# Allegro board 1140022-KU060_PCIE_FIBER_BOARD_V001_pcb166_20240120_1835_pcb.brd (continued)
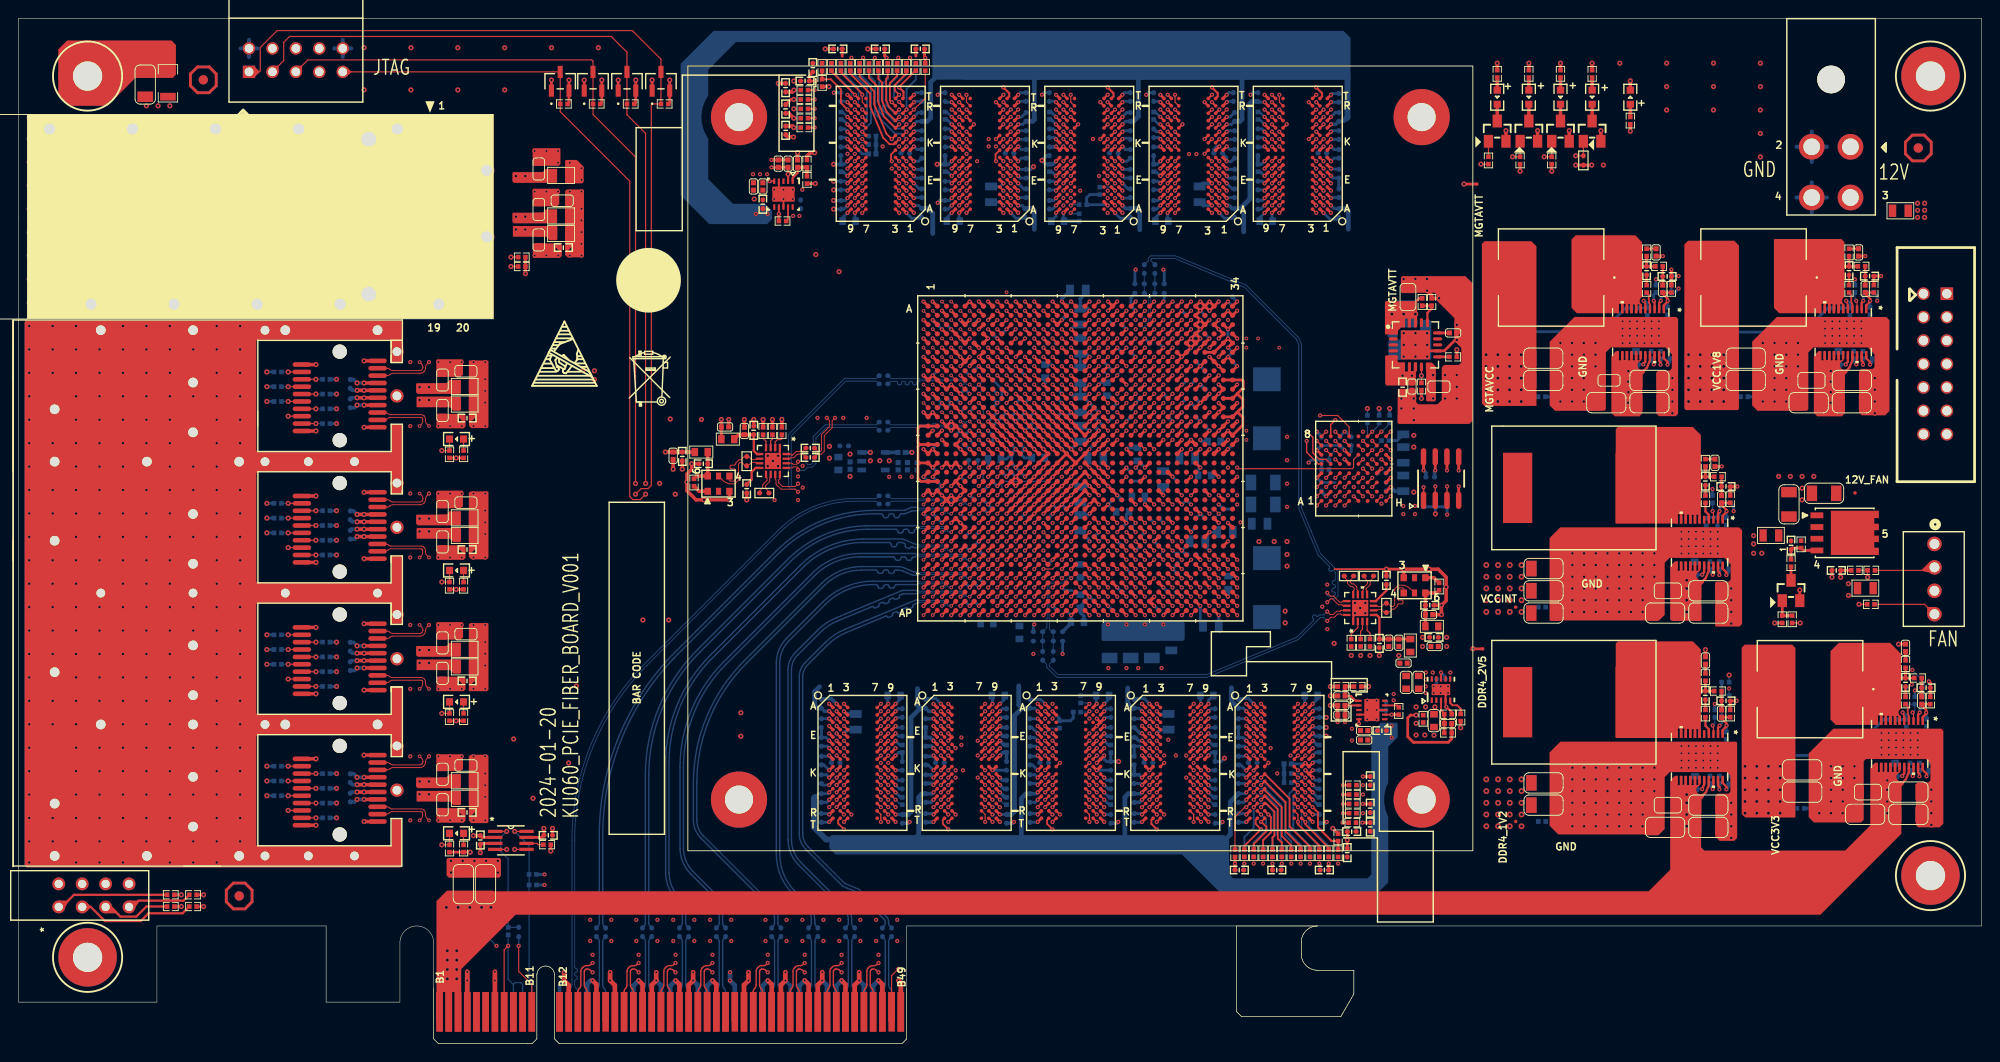
[diagram p0: board, top side]
## Routing (per net, layer and track width the routed paths; a pad name or vN(x,y) marks a point on that pad's centre or on a via; arc(x,y) is an arc through that point) (continued)
VCC1V8: length 115.3
  TOP w0.305: v1(201.9,83.21) C1531.2 R918.2 ; U1.Y29 v1(127.11,61.45) ; U1.AD7 v1(104.11,56.45) ; v3(168.81,95.25) R12.1 v3(170.54,95.25) ; v3(50.07,20.7) C1492.1 50.17,21.7 U154.3 ; U1.R24 v1(122.11,66.45) ; v3(63.23,104.47) D2.2 63.23,102.03 R21.2 ; U1.AB23 v1(121.11,58.45) ; v3(59.68,104.47) D1.2 59.68,102.03 R22.2 ; U1.Y9 v1(106.11,60.45) ; U1.M23 v1(121.11,69.45) ; U1.AA26 v1(124.11,59.45) ; U1.W22 v1(120.11,62.45) ; R611.1 v3(152.08,69.94) ; U1.T21 v1(119.11,65.45) ; U1.U28 v1(126.11,64.45) ; U1.AC20 v1(118.11,58.45) ; U1.L26 v1(124.11,70.45) ; R19.2 70.6,102.03 D4.2 v3(70.6,104.47) ; U1.W32 v1(130.11,61.45) ; U1.P27 v1(125.11,67.45) ; U1.AF31 v1(129.11,55.45) ; U1.V25 v1(122.11,62.45) ; R20.2 66.92,102.03 D3.2 v3(66.92,104.47) ; U150.8 v1(152.31,62.14) ; U1.N20 v1(118.11,67.45) ; U1.AB33 v1(130.11,59.45) ; R845.1 v3(57.7,20.87) ; U1.AB9 v1(106.11,58.45) ; U1.AC30 v1(128.11,57.45) ; U1.H25 v1(123.11,73.45) ; U1.J22 v1(120.11,71.45) ; U1.AD27 v1(125.11,56.45) ; U1.AE34 v1(131.11,56.45)
  ART05 w0.61: J1.4 27.53,108.83 ; J1.4 26.61,107.9 ; J1.4 27.53,106.97 ; J1.4 28.46,107.9
  ART10 w0.381: v4(184.85,69.61) 187.65,68.45 196.57,68.45 202.62,74.5 202.62,81.49 v1(201.9,83.21)
  BOTTOM w0.254: R4.1 105.61,65.06 105.61,65.96 R775.1 105.55,66.01 v1(105.11,66.45) ; R17.1 106.6,70.98 106.6,69.95 v1(106.11,69.45)
  BOTTOM w0.305: v1(120.11,62.45) 120.11,62.42 C2.1 ; C1487.1 149.44,65.38 R28.1 ; R13.1 105.64,68.99 v1(106.11,69.45) 105.61,69.95 R15.1 ; C30.1 124.6,56.96 v1(125.11,56.45) ; R27.1 v3(147.5,68.86) ; v1(122.11,62.45) 121.38,63.18 C29.1 ; C5.1 118.9,57.66 v1(118.11,58.45) C1495.1 ; R30.1 v3(148.64,68.86) ; R767.2 U1.AC30 v1(128.11,57.45) ; v1(130.11,61.45) 129.96,61.59 C24.1 ; v1(124.11,59.45) 124.08,59.48 C4.1 ; C15.1 v1(118.11,67.45) ; C14.1 U1.M23 v1(121.11,69.45) 121.6,69.94 C26.1 ; R830.1 v3(153.6,57.43) ; R830.1 R829.1 v1(154.87,57.36) ; R830.1 R831.1 ; v1(139.85,62.99) 140.12,63.26 R29.1 R26.1 ; R1250.2 196.15,79.76 193.52,77.14 186.05,77.14 ; C12.1 129.11,55.46 v1(129.11,55.45) ; v1(124.11,70.45) C7.1 ; C27.1 v1(128.11,57.45) ; v1(128.11,57.45) 128.59,56.97 R768.2 ; C28.1 125.86,64.2 v1(126.11,64.45) ; v1(121.11,58.45) 120.7,58.86 C13.1 ; R3.1 105.59,60.97 v1(106.11,60.45) ; C31.1 124.64,67.92 v1(125.11,67.45) ; v1(128.11,65.45) 128.28,65.28 C25.1
  BOTTOM w0.381: v1(152.31,62.14) 152.57,61.89 C1473.1
  vias: v1(115.11,64.45) v1(115.11,62.45) v3(150.04,72.42) v3(151.05,72.42) v3(151.25,65.94) v3(151.25,64.67) v3(171.81,95.25) v4(181.04,74.69) v4(181.04,73.42) v4(181.04,72.15) v4(181.04,70.88) v4(181.04,69.61) v4(182.31,74.69) v4(182.31,73.42) v4(182.31,72.15) v4(182.31,70.88) v4(182.31,69.61) v4(183.58,74.69) v4(183.58,73.42) v4(183.58,72.15) v4(183.58,70.88) v4(183.58,69.61) v4(184.85,74.69) v4(184.85,73.42) v4(184.85,72.15) v4(184.85,70.88)
VCC3V3: length 112.3
  TOP w0.305: R1016.1 v3(47.45,49.25) R1009.2 ; U1.AK9 v1(106.11,50.45) ; v1(207.09,39.28) 207.25,39.12 C1539.2 R902.2 ; R181.1 v3(47.45,63.5) R179.2 ; v3(197.53,50.56) C2513.1 R250.1 ; U1.AM13 v1(110.11,48.45) ; v3(56.96,23.33) C1491.1 56.73,22.35 U154.7 ; U1.AF11 v1(108.11,54.45) ; U1.AJ12 v1(109.11,51.45) ; R1026.1 v3(47.45,35) R1018.2 ; v3(76.2,67.67) C1422.1 76.2,66.86 L238.1 ; v3(48.97,20.75) R1266.2 R1273.1 ; R168.1 R167.1 v3(54.96,83.48) ; U1.AN10 v1(107.11,47.45) ; U1.AG8 v1(105.11,53.45)
  TOP w0.381: R35.1 v3(167.16,106.3) ; R626.1 v3(160.3,106.3) ; R36.1 v3(163.73,106.3) ; R9.1 v3(170.59,106.3) ; L150.2 C1421.1 v3(70.13,64.14)
  PWER08 w0.61: 5.96,17.31 D5.7 ; D5.7 7.86,17.31 ; D5.7 6.91,18.27 ; D5.7 6.91,16.36 ; 8.5,17.31 D5.6 ; D5.6 9.45,18.27 ; D5.6 10.4,17.31 ; D5.6 9.45,16.36 ; 4.37,16.36 D5.8 ; D5.8 3.42,17.31 ; D5.8 5.32,17.31 ; D5.8 4.37,18.27 ; J19.1 206.5,82.24 ; J19.1 206.5,80.36 ; J19.1 205.56,81.3 ; J19.1 207.44,81.3 ; 11.04,17.31 D5.5 ; D5.5 11.99,18.27 ; D5.5 11.99,16.36 ; D5.5 12.94,17.31
  ART12 w0.381: v1(207.09,39.28) 207.75,37.69 207.75,28.91 202.9,24.05 193.2,24.05 v4(190.97,24.98)
  BOTTOM w0.305: R178.1 v3(34.48,68.82) ; R1010.1 v3(34.48,57.77) ; R1025.1 v3(26.93,41.12) ; R1024.1 v3(34.48,38.72) ; R177.1 v3(26.93,69.62) ; R1017.1 v3(26.93,55.37) ; R176.1 v3(34.48,70.42) ; R1271.1 v3(34.48,26.07) ; R174.1 v3(34.48,72.02) ; 192.5,31.24 198.27,31.24 202.16,35.13 R1256.2 ; R1021.1 v3(26.93,42.72) ; R1013.1 v3(34.48,56.17) ; R1023.1 v3(34.48,41.92) ; R1272.1 v3(34.48,24.47) ; R1270.1 v3(34.48,27.67) ; R1015.1 v3(34.48,52.97) ; R175.1 v3(26.93,71.22) ; R1019.1 v3(26.93,44.32) ; R1267.1 v3(34.48,29.27) ; R1014.1 v3(34.48,54.57) ; R1022.1 v3(34.48,40.32) ; R1269.1 v3(26.93,28.47) ; R1268.1 v3(26.93,30.07) ; R1020.1 v3(34.48,43.52) ; R180.1 v3(34.48,67.22) ; R1242.1 v1(57.02,17.2) ; R173.1 v3(26.93,72.82) ; R1274.1 v3(26.93,26.87) ; R1011.1 v3(26.93,58.57) ; R1012.1 v3(26.93,56.97)
  BOTTOM w0.381: v3(41.66,88.7) R163.1 R164.1 v3(41.66,87.68)
  vias: v1(49.33,73.89) v1(49.33,66.95) v1(49.33,59.64) v1(49.33,52.7) v1(49.33,45.39) v1(49.33,38.45) v1(49.33,31.14) v1(49.33,24.2) v1(50.6,73.89) v1(50.6,72.03) v1(50.6,70.76) v1(50.6,69.49) v1(50.6,66.95) v1(50.6,59.64) v1(50.6,57.78) v1(50.6,56.51) v1(50.6,55.24) v1(50.6,52.7) v1(50.6,45.39) v1(50.6,43.53) v1(50.6,42.26) v1(50.6,40.99) v1(50.6,38.45) v1(50.6,31.14) v1(50.6,29.28) v1(50.6,28.01) v1(50.6,26.74) v1(50.6,24.2) v1(59.77,95.51) v1(59.77,92.38) v1(59.77,85.44) v1(61.04,94.92) v1(61.04,93.65) v1(61.04,92.38) v1(61.04,90.52) v1(61.04,89.25) v1(61.04,87.98) v1(61.04,86.71) v1(61.04,85.44) v1(152.55,40.23) v1(152.55,39.47) v1(153.31,40.23) v1(155.22,40.23) v3(87.91,64.74) v3(87.91,63.47) v3(153.35,72.48) v3(153.35,69.94) v3(154.82,44.05) v3(154.82,43.05) v4(187.16,30.06) v4(187.16,28.79) v4(187.16,27.52) v4(187.16,26.25) v4(187.16,24.98) v4(188.43,30.06) v4(188.43,28.79) v4(188.43,27.52) v4(188.43,26.25) v4(188.43,24.98) v4(189.7,30.06) v4(189.7,28.79) v4(189.7,27.52) v4(189.7,26.25) v4(189.7,24.98) v4(190.97,30.06) v4(190.97,28.79) v4(190.97,27.52) v4(190.97,26.25)
VCC12V: length 11.4
  TOP w0.254: 204.26,28.31 204.59,28.64 204.92,29.45 U116.19 ; 198.14,72.95 198.47,73.28 198.8,74.09 U115.19 ; U111.19 176.86,74.09 176.52,73.28 176.19,72.95 ; 182.57,50.14 182.9,50.47 183.24,51.28 U108.19 ; 182.59,26.92 182.92,27.24 183.24,28.01 U114.19
  TOP w0.381: R701.1 v3(174.73,98.92)
  BOTTOM w0.305: v1(185.92,57.73) 185.92,58.3 R588.1
  vias: v3(174.51,72.92) v3(174.51,71.77) v3(174.51,70.63) v3(174.51,69.49) v3(188.09,55.07) v3(188.09,54.18) v3(188.09,53.16) v3(188.98,53.16) v3(196.46,72.92) v3(196.46,71.77) v3(196.46,70.63) v3(196.46,69.49) v3(202.58,28.53) v3(202.58,27.52) v3(202.58,26.25) v3(202.58,24.98) v3(205.87,91.11) v3(205.87,90.35) v3(205.87,89.59) v3(206.63,91.11) v3(206.63,90.35) v3(206.63,89.59) v4(46.39,14.76) v4(46.49,10.06) v4(46.49,9.05) v4(46.49,8.03) v4(46.49,7.01) v4(47.51,10.06) v4(47.51,9.05) v4(47.51,8.03) v4(47.51,7.01) v4(47.66,14.76) v4(48.93,14.76) v4(50.2,14.76) v4(51.22,14.76) v4(180.84,50.23) v4(180.84,49.34) v4(180.84,48.07) v4(180.84,46.8) v4(180.84,26.99) v4(180.84,26.1) v4(180.84,24.83) v4(180.84,23.56)
VCC_1V8_EN: length 2.1
  TOP w0.254: U115.2 199.8,80.29 199.97,80.47 v1(199.97,80.54)
  BOTTOM w0.305: R654.1 199.97,81.14 v1(199.97,80.54)
VCC_1V8_GOOD: length 73.6
  TOP w0.127: U115.3 199.3,80.44 v1(199.21,80.54)
  ART03 w0.086: 203.28,46.56 205.29,44.54 v1(205.29,40.51) ; 203.28,46.56 200.86,44.15 187.53,44.15 185.44,42.06 v3(185.44,39.95) ; 203.28,46.56 203.28,80.54 202.67,81.15 199.44,81.15 199.21,80.92 v1(199.21,80.54)
  BOTTOM w0.127: R849.2 v3(185.44,39.95) ; v1(205.29,40.51) 206.56,39.24 R657.2 ; R645.2 199.07,80.67 v1(199.21,80.54)
VCC_3V3_EN: length 2.1
  TOP w0.254: v1(206.1,35.9) 206.1,35.83 205.92,35.66 U116.2
  BOTTOM w0.305: R657.1 206.56,36.61 206.1,36.14 v1(206.1,35.9)
VCC_3V3_GOOD: length 36.5
  TOP w0.127: v1(205.33,35.9) 205.42,35.81 U116.3
  ART03 w0.086: v1(205.33,35.9) 205.33,35.15 205.54,34.95 206.1,34.95 206.53,34.52 206.53,30.91 206.35,30.73 192.99,30.73 192.38,31.34 188.19,31.34 187.17,32.36 187.17,35.08 185.44,36.81 v1(185.44,38.51)
  BOTTOM w0.127: v1(205.33,35.9) 205.57,36.14 R661.2 R987.2 ; R655.2 v1(185.44,38.51)
156_25M_N: length 7.1
  TOP w0.102: X3.5 76.4,61.02 76.68,60.83 77.03,60.69 77.66,60.69 78.04,61.08 78.04,62.82 78.22,63 78.43,63 78.79,62.64 R1284.2 79.07,62.64 79.45,63.02 79.88,63.02 79.98,62.92 U131.7
156_25M_P: length 7
  TOP w0.102: X3.4 77.07,61.09 77.17,60.99 77.54,60.99 77.75,61.2 77.75,62.19 77.63,62.31 77.24,62.31 77.14,62.41 77.14,62.62 77.24,62.72 77.63,62.72 77.75,62.84 77.75,62.94 78.1,63.29 78.33,63.29 78.69,63.65 R1284.1 79.17,63.65 79.51,63.31 79.9,63.31 80,63.42 U131.6
CHA_AGND: length 8
  TOP w0.305: U1.V11 v1(108.11,62.45) ; U1.W12 v1(109.11,61.45) ; U1.U11 v1(108.11,64.45)
  BOTTOM w0.305: C3.2 107.67,64.01 v1(108.11,64.45) 107.67,64.89 C1.2 ; C3.2 107.09,63.37 L152.2 ; C3.2 107.67,62.89 v1(108.11,62.45) v1(109.11,61.45)
CHA_BPI_FLASH_A0: length 24.7
  TOP w0.155: U2.A1 v1(140.75,58.34) ; U1.T24 v1(122.11,64.45)
  ART03 w0.086: v1(140.75,58.34) 140.59,58.34 135.39,60.5 134.67,61.22 134.67,61.34 134.78,61.46 134.78,61.58 134.66,61.71 134.54,61.71 134.42,61.59 134.3,61.59 134.18,61.71 134.18,61.83 134.3,61.95 134.3,62.07 134.17,62.19 134.05,62.19 133.93,62.07 133.81,62.07 133.69,62.2 133.69,62.32 133.81,62.44 133.81,62.56 133.68,62.68 133.56,62.68 133.44,62.56 133.32,62.56 133.2,62.69 133.2,62.81 133.32,62.93 133.32,63.05 133.2,63.17 133.07,63.17 132.95,63.05 132.83,63.05 132.61,63.27 122.19,63.27 122.11,63.36 v1(122.11,64.45)
CHA_BPI_FLASH_A1: length 22.9
  TOP w0.155: U2.B1 v1(141.75,58.34) ; U1.T25 v1(123.11,64.45)
  ART03 w0.086: v1(123.11,64.45) 123.11,63.69 123.19,63.6 133.25,63.6 136.09,60.76 140.64,58.87 141.66,58.87 141.75,58.79 v1(141.75,58.34)
CHA_BPI_FLASH_A2: length 22.3
  TOP w0.155: U2.C1 v1(142.75,58.34) ; U1.T27 v1(125.11,65.45)
  ART05 w0.086: v1(142.75,58.34) 142.35,58.74 139.85,58.74 138.9,59.14 138.2,59.83 136.92,60.36 132.31,64.97 131.8,64.97 131.57,65.2 131.57,65.55 131.27,65.85 130.62,65.85 130.62,65.85 125.51,65.85 v1(125.11,65.45)
CHA_BPI_FLASH_A3: length 23.7
  TOP w0.155: U2.D1 v1(143.75,58.34) ; U1.R27 v1(125.11,66.45)
  ART05 w0.086: v1(143.75,58.34) 143.15,58.94 140.28,58.94 140.12,59.11 139.88,59.11 137.63,61.35 136.39,61.35 132.51,65.23 132.51,65.71 132.17,66.05 125.51,66.05 v1(125.11,66.45)
CHA_BPI_FLASH_A4: length 29.4
  TOP w0.155: U2.D2 v1(143.75,59.34) ; U1.P24 v1(122.11,67.45)
  ART05 w0.086: v1(122.11,67.45) 122.29,67.45 122.89,66.85 124.36,66.85 124.71,66.5 124.71,65.25 125.09,64.87 131.34,64.87 131.88,64.34 132.31,64.34 136.49,60.16 137.79,59.62 138.61,58.8 140.94,57.84 143.87,57.84 144.17,58.14 144.17,58.55 143.75,58.97 v1(143.75,59.34)
CHA_BPI_FLASH_A5: length 24.6
  TOP w0.155: U1.P25 v1(123.11,67.45) ; U2.A2 v1(140.75,59.34)
  ART05 w0.086: v1(140.75,59.34) 140.36,59.34 140.19,59.51 139.98,59.51 137.77,61.72 136.58,61.72 136.32,61.97 136.32,62.09 136.47,62.24 136.47,62.36 136.35,62.48 136.23,62.48 136.08,62.34 135.96,62.34 135.84,62.46 135.84,62.58 135.98,62.73 135.98,62.85 135.86,62.97 135.74,62.97 135.59,62.83 135.47,62.83 135.35,62.95 135.35,63.07 135.49,63.22 135.49,63.34 135.37,63.46 135.25,63.46 135.1,63.32 134.98,63.32 133.58,64.72 133.58,65.7 133.32,65.95 132.98,65.95 132.09,66.85 124.72,66.85 124.51,67.05 123.95,67.05 123.55,67.45 v1(123.11,67.45)
CHA_BPI_FLASH_A6: length 23.9
  TOP w0.155: U2.C2 v1(142.75,59.34) ; U1.P26 v1(124.11,67.45)
  ART05 w0.086: v1(142.75,59.34) 142.35,59.74 140.31,59.74 137.87,62.18 137.24,62.18 133.96,65.46 133.96,66.24 133.09,67.12 132.33,67.12 132.27,67.06 124.87,67.06 124.47,67.45 v1(124.11,67.45)
CHA_BPI_FLASH_A7: length 24.6
  TOP w0.155: U1.N26 v1(124.11,68.45) ; U2.A3 v1(140.75,60.34)
  ART05 w0.086: v1(140.75,60.34) 140.75,60.39 138.1,63.04 138.1,63.37 136.59,64.88 136.47,64.88 136.17,64.58 136.05,64.58 135.93,64.7 135.93,64.83 136.23,65.12 136.23,65.25 136.11,65.37 135.98,65.37 135.69,65.07 135.56,65.07 135.44,65.19 135.44,65.32 135.74,65.61 135.74,65.73 135.62,65.86 135.49,65.86 135.2,65.56 135.08,65.56 134.95,65.68 134.95,65.8 135.25,66.1 135.25,66.22 133.36,68.12 132.33,68.12 132.27,68.06 124.5,68.06 v1(124.11,68.45)
CHA_BPI_FLASH_A8: length 27.3
  TOP w0.155: U2.B3 v1(141.75,60.34) ; U1.N24 v1(122.11,68.45)
  ART05 w0.086: v1(122.11,68.45) 122.71,67.85 132.27,67.85 132.33,67.79 133.1,67.79 134.49,66.4 134.49,65.43 135.95,63.98 136.07,63.98 136.38,64.29 136.5,64.29 136.62,64.16 136.62,64.04 136.31,63.73 136.31,63.61 136.43,63.49 136.56,63.49 136.87,63.8 136.99,63.8 137.11,63.68 137.11,63.55 136.8,63.24 136.8,63.12 137.36,62.56 137.97,62.56 140.59,59.95 140.64,59.95 140.64,59.94 141.35,59.94 141.75,60.34 v1(141.75,60.34)
CHA_BPI_FLASH_A9: length 27.7
  TOP w0.155: U2.C3 v1(142.75,60.34) ; U1.M24 v1(122.11,69.45)
  ART05 w0.086: v1(122.11,69.45) 122.71,68.85 132.27,68.85 132.33,68.79 133.32,68.79 138.66,63.45 138.66,63.33 138.53,63.19 138.53,63.07 138.65,62.95 138.77,62.95 138.9,63.08 139.03,63.08 139.15,62.96 139.15,62.84 139.02,62.71 139.02,62.58 139.14,62.46 139.26,62.46 139.39,62.59 139.51,62.59 139.64,62.47 139.64,62.35 139.5,62.22 139.5,62.1 139.63,61.97 139.75,61.97 140.01,62.23 140.61,62.23 141.25,61.59 141.25,61.24 141.66,60.83 142.26,60.83 v1(142.75,60.34)
CHA_BPI_FLASH_A10: length 26
  TOP w0.155: U1.M25 v1(123.11,69.45) ; U2.D3 v1(143.75,60.34)
  ART05 w0.086: v1(143.75,60.34) 143.26,60.83 142.67,60.83 142.21,61.29 142.21,61.44 140.06,63.6 138.99,63.6 133.47,69.12 132.33,69.12 132.27,69.06 123.5,69.06 v1(123.11,69.45)
CHA_BPI_FLASH_A11: length 25.5
  TOP w0.155: U1.M26 v1(124.11,69.45) ; U2.C4 v1(142.75,61.34)
  ART05 w0.086: v1(142.75,61.34) 142.75,61.49 139.73,64.51 139.61,64.51 139.46,64.37 139.34,64.37 139.22,64.49 139.22,64.61 139.36,64.76 139.36,64.88 139.24,65 139.12,65 138.97,64.86 138.85,64.86 138.73,64.98 138.73,65.1 138.87,65.24 138.87,65.37 138.75,65.49 138.63,65.49 138.49,65.34 138.36,65.34 138.24,65.47 138.24,65.59 138.39,65.73 138.39,65.86 134.46,69.79 132.33,69.79 132.27,69.85 124.5,69.85 v1(124.11,69.45)
CHA_BPI_FLASH_A12: length 30
  TOP w0.155: v1(139.64,65.34) 139.64,64.11 140.92,62.84 U2.A5 ; U1.L22 v1(120.11,70.45)
  ART03 w0.086: v1(139.64,65.34) 139.5,65.2 136.58,65.2 136.23,65.55 136.23,65.67 136.41,65.85 136.41,65.98 136.29,66.1 136.17,66.1 135.98,65.92 135.86,65.92 135.74,66.04 135.74,66.16 135.92,66.34 135.92,66.47 135.8,66.59 135.68,66.59 135.49,66.4 135.37,66.4 135.25,66.53 135.25,66.65 135.43,66.83 135.43,66.95 135.31,67.08 135.19,67.08 135.01,66.89 134.88,66.89 134.76,67.02 134.76,67.14 134.94,67.32 134.94,67.44 134.82,67.57 134.7,67.57 134.52,67.38 134.4,67.38 134.27,67.5 134.27,67.63 134.46,67.81 134.46,67.93 134.33,68.05 134.21,68.05 134.03,67.87 133.91,67.87 133.66,68.12 132.33,68.12 132.27,68.06 131.5,68.06 131.5,68.05 121.91,68.05 121.67,68.3 121.67,69.7 121.51,69.85 120.73,69.85 120.12,70.45 v1(120.11,70.45)
CHA_BPI_FLASH_A13: length 30.6
  TOP w0.155: v1(139.64,66.34) 139.7,66.34 140.31,65.74 140.31,64.06 141.03,63.34 141.75,63.34 U2.B5 ; U1.K23 v1(121.11,71.45)
  ART03 w0.086: v1(121.11,71.45) 121.11,71.3 120.62,70.82 120.62,70.36 120.93,70.05 122.15,70.05 122.63,69.57 122.63,69 122.79,68.85 125.54,68.85 125.75,69.06 132.27,69.06 132.33,69.12 134.44,69.12 134.57,68.99 134.69,68.99 134.85,69.14 134.97,69.14 135.1,69.02 135.1,68.9 134.94,68.74 134.94,68.62 135.06,68.5 135.18,68.5 135.34,68.65 135.46,68.65 135.58,68.53 135.58,68.41 135.43,68.25 135.43,68.13 135.55,68.01 135.67,68.01 135.83,68.16 135.95,68.16 136.07,68.04 136.07,67.92 135.92,67.76 135.92,67.64 136.04,67.52 136.16,67.52 136.32,67.68 136.44,67.68 136.56,67.55 136.56,67.43 136.41,67.28 136.41,67.15 136.96,66.6 138.13,66.6 138.38,66.34 v1(139.64,66.34)
CHA_BPI_FLASH_A14: length 29.7
  TOP w0.155: U2.C5 v1(142.75,63.34) ; U1.L25 v1(123.11,70.45)
  ART05 w0.086: v1(123.11,70.45) 123.5,70.06 132.27,70.06 132.33,70.12 136.72,70.12 136.97,69.86 136.97,69.74 136.68,69.46 136.68,69.34 136.81,69.21 136.93,69.21 137.21,69.5 137.33,69.5 137.46,69.38 137.46,69.25 137.17,68.97 137.17,68.85 137.3,68.72 137.42,68.72 137.7,69.01 137.82,69.01 137.95,68.89 137.95,68.76 137.66,68.48 137.66,68.36 137.78,68.24 137.91,68.24 138.19,68.52 138.31,68.52 138.43,68.4 138.43,68.28 138.15,67.99 138.15,67.87 138.27,67.75 138.39,67.75 138.68,68.03 138.8,68.03 138.92,67.91 138.92,67.79 138.64,67.5 138.64,67.38 138.76,67.26 138.88,67.26 139.17,67.54 139.29,67.54 140.31,66.52 140.31,65.15 140.59,64.87 140.79,64.87 141.22,64.44 141.22,64.29 142.17,63.34 v1(142.75,63.34)
CHA_BPI_FLASH_A15: length 29.3
  TOP w0.155: U1.K25 v1(123.11,71.45) ; U2.D7 v1(143.75,65.34)
  ART03 w0.086: v1(143.75,65.34) 143.34,65.75 143.34,66.38 142.93,66.8 142.62,66.8 141.96,67.46 141.96,68.68 141.53,69.11 141.41,69.11 141.28,68.98 141.15,68.98 141.03,69.1 141.03,69.22 141.16,69.36 141.16,69.48 141.04,69.6 140.92,69.6 140.79,69.47 140.67,69.47 140.54,69.59 140.54,69.71 140.67,69.85 140.67,69.97 140.55,70.09 140.43,70.09 140.3,69.96 140.18,69.96 140.05,70.08 140.05,70.2 140.19,70.33 140.19,70.46 140.06,70.58 139.94,70.58 139.81,70.45 139.69,70.45 139.57,70.57 139.57,70.69 139.7,70.82 139.7,70.94 139.58,71.07 139.45,71.07 139.32,70.94 139.2,70.94 139.08,71.06 139.08,71.18 139.21,71.31 139.21,71.43 139.09,71.56 138.96,71.56 138.83,71.42 138.71,71.42 138.59,71.55 138.59,71.67 138.72,71.8 138.72,71.92 138.53,72.12 132.33,72.12 132.27,72.06 123.71,72.06 v1(123.11,71.45)
CHA_BPI_FLASH_A16: length 29.9
  TOP w0.127: v1(141.1,68.1) 143,68.1 144.25,66.85 U2.D8
  TOP w0.155: U1.L23 v1(121.11,70.45)
  ART03 w0.086: v1(141.1,68.1) 140.89,68.1 137.57,71.42 137,71.42 136.91,71.34 136.91,71.18 136.83,71.09 136.65,71.09 136.57,71.18 136.57,71.34 136.48,71.42 136.31,71.42 136.22,71.34 136.22,71.18 136.14,71.09 135.96,71.09 135.88,71.18 135.88,71.34 135.79,71.42 135.62,71.42 135.53,71.34 135.53,71.18 135.45,71.09 135.27,71.09 135.19,71.18 135.19,71.34 135.1,71.42 134.93,71.42 134.84,71.34 134.84,71.18 134.75,71.09 134.58,71.09 134.5,71.18 134.5,71.34 134.41,71.42 134.24,71.42 134.15,71.34 134.15,71.18 134.06,71.09 133.89,71.09 133.8,71.18 133.8,71.34 133.72,71.42 133.55,71.42 133.46,71.34 133.46,71.18 133.37,71.09 133.2,71.09 133.11,71.18 133.11,71.34 133.03,71.42 132.72,71.42 132.35,71.06 123.96,71.06 123.76,70.85 121.51,70.85 v1(121.11,70.45)
CHA_BPI_FLASH_A17: length 29.8
  TOP w0.155: U1.L24 v1(122.11,70.45) ; U2.A7 v1(140.75,65.34)
  ART03 w0.086: v1(140.75,65.34) 140.75,65.55 140.28,66.01 140.28,66.5 139.83,66.95 138.76,66.95 138.68,67.04 138.68,67.4 138.59,67.49 138.42,67.49 138.33,67.4 138.33,67.04 138.25,66.95 137.74,66.95 137.41,67.29 137.41,67.41 137.83,67.83 137.83,67.96 137.71,68.08 137.59,68.08 137.17,67.65 137.04,67.65 136.92,67.78 136.92,67.9 137.35,68.32 137.35,68.45 137.22,68.57 137.1,68.57 136.68,68.14 136.56,68.14 136.43,68.27 136.43,68.39 136.86,68.81 136.86,68.93 136.73,69.06 136.61,69.06 136.19,68.63 136.07,68.63 135.94,68.75 135.94,68.88 136.37,69.3 136.37,69.42 136.25,69.54 136.12,69.54 135.7,69.12 135.58,69.12 135.15,69.55 132.61,69.55 132.3,69.85 125.91,69.85 125.6,69.55 125.6,69.34 125.31,69.05 123.85,69.05 123.62,69.28 123.62,69.62 123.32,69.93 122.63,69.93 v1(122.11,70.45)
CHA_BPI_FLASH_A18: length 27.5
  TOP w0.155: U1.M27 v1(125.11,69.45) ; U2.B7 v1(141.75,65.34)
  ART03 w0.086: v1(125.11,69.45) 125.71,70.05 130.56,70.05 130.66,70.15 132.56,70.15 132.84,69.88 133.08,69.88 133.16,69.96 133.16,70.27 133.25,70.36 133.42,70.36 133.51,70.27 133.51,69.96 133.6,69.88 133.77,69.88 133.85,69.96 133.85,70.27 133.94,70.36 134.11,70.36 134.2,70.27 134.2,69.96 134.29,69.88 134.46,69.88 134.55,69.96 134.55,70.27 134.63,70.36 134.8,70.36 134.89,70.27 134.89,69.96 134.98,69.88 135.15,69.88 135.24,69.96 135.24,70.27 135.32,70.36 135.5,70.36 135.58,70.27 135.58,69.86 135.67,69.77 135.84,69.77 135.93,69.86 135.93,70.27 136.01,70.36 136.19,70.36 136.27,70.27 136.27,69.96 136.36,69.88 136.53,69.88 136.62,69.96 136.62,70.17 136.7,70.26 136.88,70.26 136.96,70.17 136.96,69.96 137.14,69.79 137.14,69.67 136.95,69.47 136.95,69.35 137.07,69.23 137.19,69.23 137.38,69.42 137.5,69.42 137.63,69.3 137.63,69.18 137.44,68.99 137.44,68.86 137.56,68.74 137.68,68.74 137.87,68.93 137.99,68.93 138.12,68.81 138.12,68.69 137.92,68.5 137.92,68.37 138.05,68.25 138.17,68.25 138.36,68.44 138.48,68.44 139.62,67.31 140.61,67.31 141.15,66.78 141.15,65.94 v1(141.75,65.34)
CHA_BPI_FLASH_A19: length 27.3
  TOP w0.155: U2.C7 v1(142.75,65.34) ; U1.L27 v1(125.11,70.45)
  ART03 w0.086: v1(125.11,70.45) 125.5,70.85 132.27,70.85 132.38,70.74 136.93,70.74 137.11,70.57 137.23,70.57 137.5,70.84 137.62,70.84 137.74,70.71 137.74,70.59 137.47,70.32 137.47,70.2 137.59,70.08 137.72,70.08 137.99,70.35 138.11,70.35 138.23,70.23 138.23,70.1 137.96,69.83 137.96,69.71 138.08,69.59 138.2,69.59 138.48,69.86 138.6,69.86 138.72,69.74 138.72,69.62 138.45,69.34 138.45,69.22 138.57,69.1 138.69,69.1 138.96,69.37 139.09,69.37 139.21,69.25 139.21,69.13 138.94,68.85 138.94,68.73 139.06,68.61 139.18,68.61 139.45,68.88 139.58,68.88 139.7,68.76 139.7,68.64 139.43,68.37 139.43,68.24 139.55,68.12 139.67,68.12 139.94,68.39 140.06,68.39 140.19,68.27 140.19,68.15 139.91,67.88 139.91,67.76 140.04,67.63 140.86,67.63 141.58,66.9 141.81,66.9 142.29,66.42 142.29,65.86 142.75,65.4 v1(142.75,65.34)
CHA_BPI_FLASH_A20: length 27.3
  TOP w0.155: U1.J23 v1(121.11,72.45) ; U2.C8 v1(142.75,66.34)
  ART03 w0.086: v1(121.11,72.45) 121.54,72.02 121.54,71.14 121.63,71.05 123.35,71.05 123.57,71.27 123.57,71.47 123.94,71.85 132.27,71.85 132.33,71.79 137.79,71.79 140.97,68.61 141.27,68.61 141.58,68.3 141.58,67.51 v1(142.75,66.34)
CHA_BPI_FLASH_A21: length 25
  TOP w0.155: U1.H24 v1(122.11,73.45) ; U2.A8 v1(141.75,66.34)
  ART05 w0.086: v1(141.75,66.34) 141.75,66.58 136.93,71.4 132.64,71.4 132.29,71.06 123.83,71.06 123.55,71.34 123.55,71.65 123.24,71.96 123.01,71.96 122.61,72.36 122.61,72.95 v1(122.11,73.45)
CHA_BPI_FLASH_A22: length 34.8
  TOP w0.155: U2.G1 v1(147.75,59.34) ; U1.J26 v1(124.11,72.45)
  ART03 w0.086: v1(124.11,72.45) 124.5,72.84 130.71,72.84 130.83,72.72 138.46,72.72 142.32,68.86 142.32,67.46 142.6,67.18 143.56,67.18 145,65.75 146.98,65.75 147.24,65.48 147.24,60.56 v1(147.75,59.34)
CHA_BPI_FLASH_A23: length 30.2
  TOP w0.155: U1.H26 v1(124.11,73.45) ; U2.H8 v1(148.75,66.34)
  ART03 w0.086: v1(124.11,73.45) 124.5,73.84 138.55,73.84 144.88,67.51 144.88,66.6 145.53,65.95 148.27,65.95 148.66,66.34 v1(148.75,66.34)
CHA_BPI_FLASH_A24: length 25.8
  TOP w0.155: U2.B6 v1(141.75,64.34) ; U1.J24 v1(122.11,72.45)
  ART05 w0.086: v1(141.75,64.34) 141.27,64.82 141.27,66.42 136.85,70.85 122.95,70.85 122.63,71.17 122.63,71.93 v1(122.11,72.45)
CHA_BPI_FLASH_A25: length 25.8
  TOP w0.155: U1.J25 v1(123.11,72.45) ; v1(142.75,67.61) 142.25,67.11 U2.B8
  ART03 w0.086: v1(142.75,67.61) 142.75,68.93 138.63,73.05 123.37,73.05 123.11,72.79 v1(123.11,72.45)
CHA_BPI_FLASH_A26: length 34.7
  TOP w0.155: U2.H1 v1(148.75,59.34) ; U1.K26 v1(124.11,71.45)
  ART05 w0.086: v1(148.75,59.34) 148.86,59.45 149.15,60.15 149.15,64.74 148.01,65.89 145.54,65.89 142.09,69.34 140.29,70.54 137.14,71.85 124.5,71.85 v1(124.11,71.45)
CHA_BPI_FLASH_ADV_B: length 26.8
  TOP w0.155: U1.N27 v1(125.11,68.45) ; U2.F6 v1(146.75,64.34)
  ART03 w0.086: v1(125.11,68.45) 125.5,68.45 125.9,68.85 132.27,68.85 132.33,68.79 134.21,68.79 136.73,66.27 137.87,66.27 138.28,65.86 140.03,65.86 140.31,65.58 140.31,65.22 140.58,64.94 146.15,64.94 v1(146.75,64.34)
  BOTTOM w0.127: R28.2 147.76,65.36 v1(146.75,64.34)
CHA_BPI_FLASH_CE_B: length 47.7
  TOP w0.155: U2.B4 v1(141.75,61.34) ; U1.U7 v1(104.11,64.45)
  ART03 w0.086: v1(104.11,64.45) 104.53,64.87 123.75,64.87 124.61,64.01 133.35,64.01 136.12,61.24 136.59,61.24 136.68,61.15 136.68,60.92 136.77,60.83 136.94,60.83 137.02,60.92 137.02,61.15 137.11,61.24 137.82,61.24 138.2,60.86 138.39,60.86 138.48,60.77 138.48,60.21 138.56,60.12 138.74,60.12 138.82,60.21 138.82,60.77 138.91,60.86 139.09,60.86 139.17,60.77 139.17,59.93 139.26,59.84 139.43,59.84 139.52,59.93 139.52,60.77 139.61,60.86 139.78,60.86 139.87,60.77 139.87,59.93 139.95,59.84 140.12,59.84 140.21,59.93 140.21,60.77 140.3,60.86 141.27,60.86 v1(141.75,61.34)
  BOTTOM w0.127: R26.2 142.06,61.65 v1(141.75,61.34)
CHA_BPI_FLASH_CLK: length 42.5
  TOP w0.127: U2.E6 144.73,63.32 144.73,62.48 144.58,62.33 132.23,62.33 v1(132.11,62.45)
  ART03 w0.086: v1(113.11,61.45) 113.56,61.9 124.05,61.9 124.14,61.81 124.14,61.61 124.22,61.52 124.39,61.52 124.48,61.61 124.48,61.81 124.57,61.9 125.51,61.9 125.6,61.81 125.6,61.43 125.69,61.34 125.86,61.34 125.95,61.43 125.95,61.81 126.03,61.9 126.2,61.9 126.29,61.81 126.29,61.43 126.38,61.34 126.55,61.34 126.64,61.43 126.64,61.81 126.72,61.9 127.65,61.9 127.73,61.81 127.73,61.4 127.82,61.32 127.99,61.32 128.08,61.4 128.08,61.81 128.16,61.9 128.34,61.9 128.42,61.81 128.42,61.4 128.51,61.32 128.68,61.32 128.77,61.4 128.77,61.99 128.86,62.08 129.03,62.08 129.11,61.99 129.11,61.4 129.2,61.32 129.37,61.32 129.46,61.4 129.46,61.81 129.85,62.2 130.3,62.2 130.58,61.93 130.58,61.43 130.66,61.34 130.84,61.34 130.92,61.43 130.92,61.81 131.01,61.9 131.18,61.9 131.27,61.81 131.27,61.43 131.35,61.34 131.53,61.34 131.61,61.43 131.61,61.81 131.7,61.9 132.02,61.9 132.11,61.99 v1(132.11,62.45)
  BOTTOM w0.127: R2.1 v1(113.11,61.45)
CHA_BPI_FLASH_D0: length 46.9
  TOP w0.155: U1.AC7 v1(104.11,57.45) ; U2.F2 v1(146.75,59.34)